# Allegro board HI3516APERB_VER_B_PCB.brd
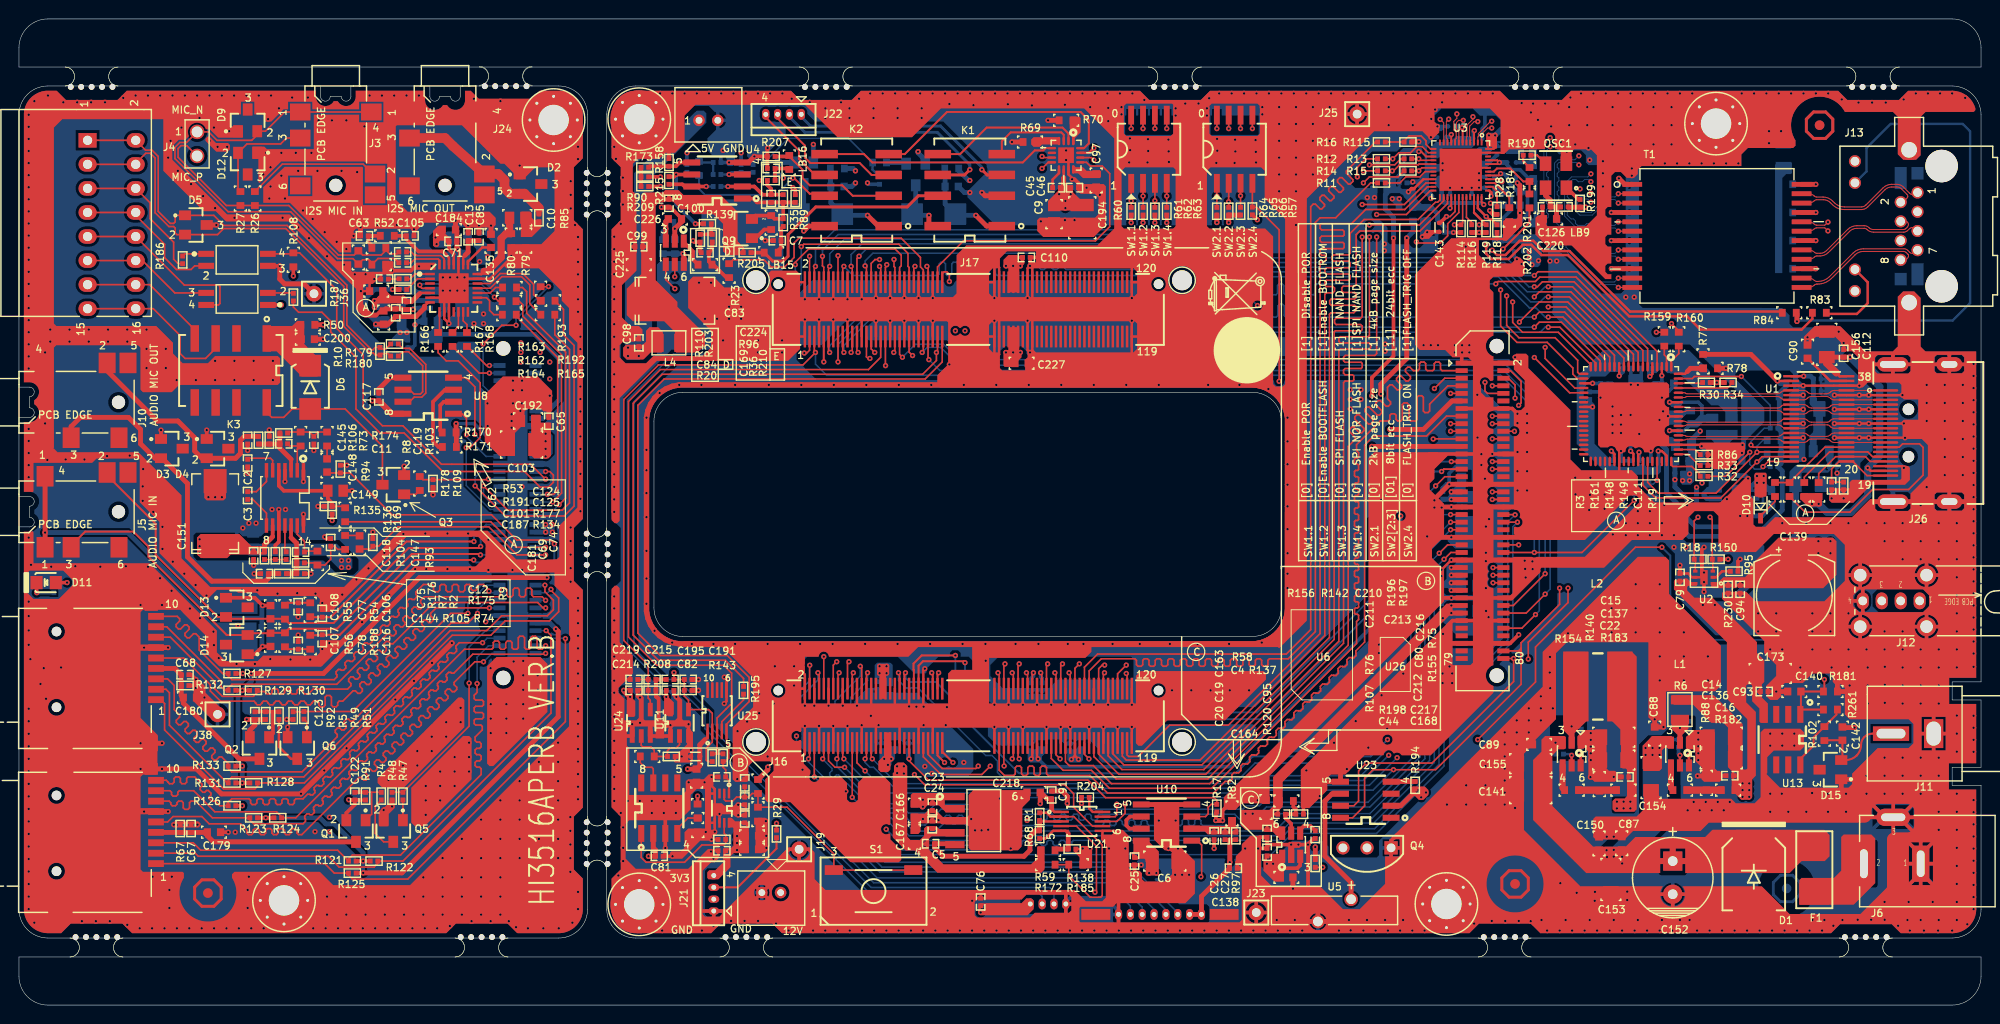
[diagram p0: board, top side]
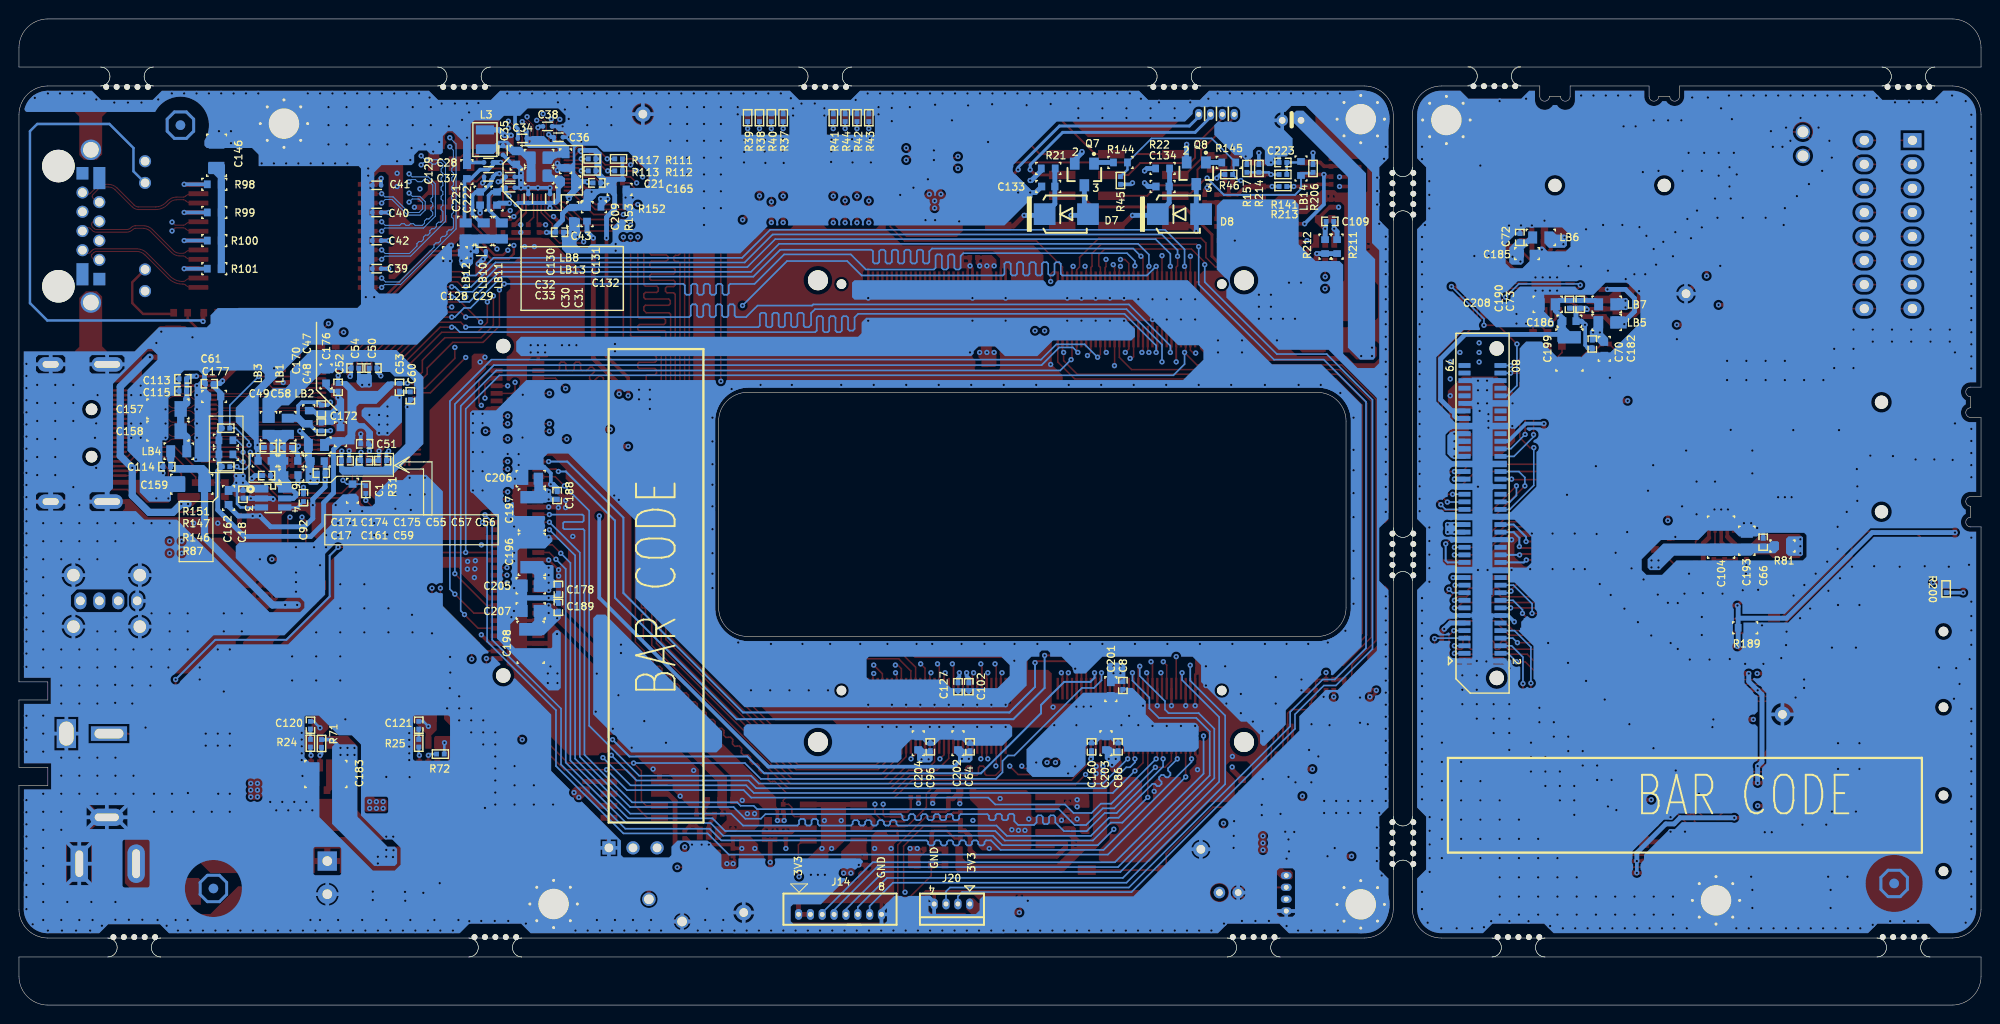
[diagram p1: board, bottom side, seen from below]

Outline 207.03 x 104.15 mm; copper layers: TOP, GND02, ART03, ART04, POWER5, BOTTOM. Coordinates in mm from the lower left corner of the outline.
Outline path: 4.87,99.07 arc(5.87,98.07) 4.87,97.07 ; 5.37,7.08 arc(6.37,6.08) 5.37,5.08 ; 10.47,97.07 arc(9.47,98.07) 10.47,99.07 ; 10.97,5.08 arc(9.97,6.08) 10.97,7.08 ; 46.01,7.08 arc(47.01,6.08) 46.01,5.08 ; 48.55,99.07 arc(49.56,98.07) 48.55,97.07 ; 51.61,5.08 arc(50.61,6.08) 51.61,7.08 ; 54.15,97.07 arc(53.15,98.07) 54.15,99.07 ; 60.01,82.89 arc(61.01,83.89) 62.01,82.89 ; 60.01,44.79 arc(61.01,45.79) 62.01,44.79 ; 60.01,14.31 arc(61.01,15.31) 62.01,14.31 ; 62.01,88.49 arc(61.01,87.49) 60.01,88.49 ; 62.01,50.39 arc(61.01,49.39) 60.01,50.39 ; 62.01,19.91 arc(61.01,18.91) 60.01,19.91 ; 73.95,7.08 arc(74.95,6.08) 73.95,5.08 ; 79.55,5.08 arc(78.55,6.08) 79.55,7.08 ; 82.34,99.07 arc(83.34,98.07) 82.34,97.07 ; 87.94,97.07 arc(86.94,98.07) 87.94,99.07 ; 119.17,99.07 arc(120.17,98.07) 119.17,97.07 ; 124.77,97.07 arc(123.77,98.07) 124.77,99.07 ; 153.96,7.08 arc(154.96,6.08) 153.96,5.08 ; 157.27,99.07 arc(158.27,98.07) 157.27,97.07 ; 159.56,5.08 arc(158.56,6.08) 159.56,7.08 ; 162.87,97.07 arc(161.87,98.07) 162.87,99.07 ; 192.06,7.08 arc(193.06,6.08) 192.06,5.08 ; 192.83,99.07 arc(193.83,98.07) 192.83,97.07 ; 197.66,5.08 arc(196.66,6.08) 197.66,7.08 ; 198.43,97.07 arc(197.43,98.07) 198.43,99.07 ; 0,101.1 arc(0.89,103.26) 3.05,104.15 203.98,104.15 arc(206.14,103.26) 207.03,101.1 207.03,99.07 0,99.07 0,101.1 ; 0,94.02 arc(0.89,96.18) 3.05,97.07 31.83,97.07 31.83,95.97 arc(32.33,95.46) 32.84,95.97 34.01,95.97 arc(34.52,95.46) 35.03,95.97 35.03,97.07 43.36,97.07 43.36,95.97 arc(43.87,95.46) 44.37,95.97 45.54,95.97 arc(46.05,95.46) 46.56,95.97 46.56,97.07 56.95,97.07 arc(59.1,96.18) 59.99,94.02 59.99,10.13 arc(59.1,7.97) 56.95,7.08 3.05,7.08 arc(0.89,7.97) 0,10.13 0,50.5 1.1,50.5 arc(1.61,51.01) 1.1,51.52 1.1,52.69 arc(1.61,53.19) 1.1,53.7 0,53.7 0,62.07 1.1,62.07 arc(1.61,62.58) 1.1,63.08 1.1,64.25 arc(1.61,64.76) 1.1,65.27 0,65.27 0,94.02 ; 0,5.08 207.03,5.08 207.03,3.05 arc(206.14,0.89) 203.98,0 3.05,0 arc(0.89,0.89) 0,3.05 0,5.08 ; 62.02,94.02 62.02,10.13 arc(62.91,7.97) 65.07,7.08 203.98,7.08 arc(206.14,7.97) 207.03,10.13 207.03,23.21 203.98,23.21 203.98,25.11 207.03,25.11 207.03,32.23 203.98,32.23 203.98,34.13 207.03,34.13 207.03,94.02 arc(206.14,96.18) 203.98,97.07 65.07,97.07 arc(62.91,96.18) 62.02,94.02 ; 67,61.66 arc(67.89,63.82) 70.05,64.71 130.16,64.71 arc(132.31,63.82) 133.21,61.66 133.21,41.98 arc(132.31,39.82) 130.16,38.93 70.05,38.93 arc(67.89,39.82) 67,41.98 67,61.66

## Design rules (mm)
net group HDMI_TX0: nets TX0+_SII9022A TX0-_SII9022A
net group HDMI_TX1: nets TX1+_SII9022A TX1-_SII9022A
net group HDMI_TX2: nets TX2+_SII9022A TX2-_SII9022A
net group HDMI_TXC: nets TXC+_SII9022A TXC-_SII9022A
net group USB: nets USB_DM USB_DP
net group MDI0: nets MDI0_N MDI0_P MDI1_N MDI1_P MDI2_N MDI2_P MDI3_N MDI3_P
net group RGM: nets EPHY_CLK MDCK RGMII_RX_CLK RGMII_RX_DV RGMII_RXD0 RGMII_RXD1 RGMII_RXD2 RGMII_RXD3 RGMII_TX_CLK RGMII_TX_EN RGMII_TXD0 RGMII_TXD1 RGMII_TXD2 RGMII_TXD3
net group SD0: nets SDIO0_CARD_DETECT SDIO0_CCLK_OUT SDIO0_CCMD SDIO0_CDATA0 SDIO0_CDATA1 SDIO0_CDATA2 SDIO0_CDATA3
net group SD0_C: nets SDIO0_CARD_DETECT_C SDIO0_CCLK_OUT_C SDIO0_CCMD_C SDIO0_CDATA0_C SDIO0_CDATA1_C SDIO0_CDATA2_C SDIO0_CDATA3_C
net group SD1: nets SDIO1_CARD_DETECT SDIO1_CCLK_OUT SDIO1_CCMD SDIO1_CDATA0 SDIO1_CDATA1 SDIO1_CDATA2 SDIO1_CDATA3
net group SD1_C: nets SDIO1_CARD_DETECT_C SDIO1_CCLK_OUT_C SDIO1_CCMD_C SDIO1_CDATA0_C SDIO1_CDATA1_C SDIO1_CDATA2_C SDIO1_CDATA3_C
net group VO: nets VO_CLK VO_DAT2 VO_DAT4 VO_DAT5 VO_DAT6 VO_DAT7 VO_DAT8 VO_DAT12 VO_DAT13 VO_DAT14 VO_DAT15

## Placement (name value [footprint] x y rotation side)
C1  1NF  [SC0603]  171.83 54.32 270 bottom
C2  330N  [HSC0402]  24.13 57.24 90 top
C3  330N  [HSC0402]  24.13 53.82 270 top
C4  39PF  [SC0402]  133.22 20.16 0 top
C5  39PF  [SC0402]  96.19 17.04 0 top
C6  10UF  [SC1206]  120.9 15.21 0 top
C7  5.6PF  [SC0402]  80.01 80.74 180 top
C8  100NF  [SC0402]  90.55 33.75 270 bottom
C9  10UF  [SC0805]  109.22 83.53 270 top
C10  10UF  [SC0805]  52.58 83.15 0 top
C11  47PF  [SC0402]  27.94 59.28 180 top
C12  47PF  [SC0402]  29.72 47.85 0 top
C13  2.2UF  [HSC0402]  47.4 81.15 90 top
C14  47UF  [SC1206]  179.62 28.29 180 top
C15  47UF  [SC1206]  168.28 28.29 180 top
C16  100NF  [SC0402]  180.52 24.22 180 top
C17  100NF  [SC0402]  180.9 55.92 0 bottom
C18  100NF  [SC0402]  183.39 53.94 270 bottom
C19  100NF  [SC0402]  131.7 18.13 270 top
C20  100NF  [SC0402]  131.7 16.15 90 top
C21  100NF  [SC0402]  146.05 86.84 0 bottom
C22  100NF  [SC0402]  169.47 24.1 180 top
C23  100NF  [SC0402]  96.39 20.92 270 top
C24  100NF  [SC0402]  96.37 19.04 90 top
C25  100NF  [SC0402]  117.7 15.21 270 top
C26  100NF  [SC0402]  126.11 17.87 270 top
C27  100NF  [SC0402]  127.25 17.87 90 top
C28  100NF  [SC0402-BGA]  157.48 88.99 0 bottom
C29  100NF  [SC0402-BGA]  158.24 79.6 180 bottom
C30  100NF  [SC0402-BGA]  153.29 85.18 90 bottom
C31  100NF  [SC0402-BGA]  151 85.18 90 bottom
C32  100NF  [SC0402-BGA]  155.19 87.47 180 bottom
C33  100NF  [SC0402-BGA]  155.19 86.33 180 bottom
C34  100NF  [SC0402-BGA]  153.92 91.53 0 bottom
C35  100NF  [SC0402-BGA]  155.96 90.26 270 bottom
C36  100NF  [SC0402-BGA]  150.11 91.66 180 bottom
C37  100NF  [SC0402-BGA]  157.48 87.47 0 bottom
C38  100NF  [SC0402-BGA]  151.26 92.8 180 bottom
C39  100NF  [SC0402-BGA]  169.29 77.77 0 bottom
C40  100NF  [SC0402-BGA]  169.29 83.71 0 bottom
C41  100NF  [SC0402-BGA]  169.29 86.58 0 bottom
C42  100NF  [SC0402-BGA]  169.29 80.74 0 bottom
C43  100NF  [SC0402]  149.99 81.63 180 bottom
C44  100NF  [SC0402]  74.17 16.3 180 top
C45  100NF  [SC0402]  109.47 86.33 0 top
C46  100NF  [SC0402]  111.38 86.33 0 top
C47  100NF  [SC0402]  175.13 62.96 270 bottom
C48  100NF  [SC0402]  175.13 61.05 90 bottom
C49  100NF  [SC0402]  180.72 58.9 0 bottom
C50  100NF  [SC0402]  169.67 67.28 0 bottom
C51  100NF  [SC0402]  170.56 59.28 0 bottom
C52  100NF  [SC0402]  173.35 65.25 270 bottom
C53  100NF  [SC0402]  166.88 65.25 270 bottom
C54  100NF  [SC0402]  171.58 67.28 180 bottom
C55  100NF  [SC0402]  172.59 57.5 180 bottom
C56  100NF  [SC0402]  168.66 57.5 0 bottom
C57  100NF  [SC0402]  170.56 57.5 180 bottom
C58  100NF  [SC0402]  178.69 58.9 180 bottom
C59  100NF  [SC0402]  175.13 56.18 180 bottom
C60  100NF  [SC0402]  165.74 64.36 90 bottom
C61  100NF  [SC0402]  186.94 65.63 0 bottom
C62  33PF  [SC0603]  35.81 78.96 270 top
C63  2.2UF  [HSC0402]  36.45 81.25 180 top
C64  100NF  [SC0402]  106.68 27.27 90 bottom
C65  100NF  [SC0402]  55.91 61.66 90 top
C66  100NF  [SC0402]  22.99 48.89 90 bottom
C67  100NF  [SC0402]  18.16 18.65 90 top
C68  100NF  [SC0402]  17.53 34.89 0 top
C69  100NF  [SC0402]  39.75 73.12 90 top
C70  100NF  [SC0402]  41.02 69.82 270 bottom
C71  100NF  [SC0402]  45.8 80.66 0 top
C72  100NF  [SC0402]  48.67 81.07 90 bottom
C73  100NF  [SC0402]  42.29 74.01 270 bottom
C74  100NF  [SC0402]  40.89 73.88 270 top
C75  100NF  [SC0402]  24.77 47.47 270 top
C76  100NF  [SC0402]  101.47 10.89 90 top
C77  2.2UF  [HSC0402]  29.46 42.08 270 top
C78  2.2UF  [HSC0402]  29.46 37.99 90 top
C79  100NF  [SC0402]  175.26 45.18 90 top
C80  100NF  [SC0402]  76.58 21.56 270 top
C81  100NF  [SC0402]  67.56 15.72 0 top
C82  100NF  [SC0402]  68.71 33.24 0 top
C83  47UF  [STC7343]  69.22 74.39 0 top
C84  100NF  [SC0402]  72.39 79.47 180 top
C85  100NF  [SC0402]  48.54 81.15 90 top
C86  100NF  [SC0402]  91.06 27.27 90 bottom
C87  100NF  [SC0603]  169.11 17.09 90 top
C88  100NF  [SC0603]  172.59 28.67 90 top
C89  100NF  [SC0603]  160.4 27.53 180 top
C90  100NF  [SC0603]  188.72 69.01 90 top
C91  100NF  [SC0402]  108.97 22.19 90 top
C92  10NF  [SC0402]  177.01 53.59 90 bottom
C93  100NF  [SC0402]  184.15 33.11 0 top
C94  100NF  [SC0402]  181.61 43.91 270 top
C95  10NF  [SC0402]  136.78 18 270 top
C96  100NF  [SC0402]  110.87 27.27 90 bottom
C97  2.2UF  [SC0603]  113.67 87.09 90 top
C98  100NF  [SC0402]  65.41 69.94 90 top
C99  100NF  [SC0402]  65.41 80.1 180 top
C100  100NF  [SC0402]  68.58 84.68 270 top
C101  33NF  [SC0402]  38.58 76.68 180 top
C102  100NF  [SC0402]  106.81 33.62 270 bottom
C103  22UF  [SC1210]  53.04 59.2 180 top
C104  22UF  [SC1210]  27.43 49.42 90 bottom
C105  100NF  [SC0402]  41.27 81.25 0 top
C106  100NF  [SC0402]  32 41.37 90 top
C107  33PF  [SC0603]  26.54 38.58 270 top
C108  33PF  [SC0603]  26.54 41.5 90 top
C109  100NF  [SC0402]  68.71 82.77 0 bottom
C110  100NF  [SC0402]  106.3 78.96 0 top
C111  100NF  [SC0402]  191.26 54.83 270 top
C112  100NF  [SC0402]  192.53 68.84 90 top
C113  100NF  [SC0402]  189.74 66.13 0 bottom
C114  100NF  [SC0402]  191.43 56.86 0 bottom
C115  100NF  [SC0402]  189.74 64.86 0 bottom
C116  100NF  [SC0402]  32 38.7 270 top
C117  100NF  [SC0402]  37.97 64.23 90 top
C118  680PF  [SC0402]  32.89 48.86 90 top
C119  680PF  [SC0402]  31.11 59.66 270 top
C120  1UF  [SC0402]  176.28 29.56 90 bottom
C121  1UF  [SC0402]  164.85 29.56 90 bottom
C122  1UF  [SC0402]  35.43 22.07 90 top
C123  1UF  [SC0402]  24.89 30.57 90 top
C124  1UF  [SC0402]  40.49 79.55 0 top
C125  1UF  [SC0402]  40.49 78.4 0 top
C126  100NF  [SC0402]  161.16 84.3 180 top
C127  100NF  [SC0402]  107.95 33.62 270 bottom
C128  10UF  [SC0603]  161.04 79.47 0 bottom
C129  10UF  [SC0603]  159.77 87.98 90 bottom
C130  10UF  [SC0603]  154.56 89.5 270 bottom
C131  10UF  [SC0603]  149.35 89.12 270 bottom
C132  10UF  [SC0603]  149.1 86.96 180 bottom
C133  1UF  [SC0603]  98.42 86.45 0 bottom
C134  1UF  [SC0603]  86.36 86.45 0 bottom
C135  1UF  [SC0603]  49.81 80.71 90 top
C136  22UF  [SC1206]  179.62 26 180 top
C137  22UF  [SC1206]  168.28 25.88 180 top
C138  100NF  [SC0402]  128.14 14.45 0 top
C139  220UF  [SCAPC2-0808C]  187.32 43.27 270 top
C140  NC/18PF  [SC0603]  187.32 33.11 180 top
C141  22UF  [SC1210]  159.51 22.7 180 top
C142  NC/27PF  [SC0603]  192.41 28.67 90 top
C143  1NF  [SC0402-BGA]  149.86 82.14 270 top
C144  1NF  [SC0402]  25.91 45.56 180 top
C145  1NF  [SC0402]  24.13 59.66 270 top
C146  1NF  [SC1206]  186.18 89.76 90 bottom
C147  2.2UF  [SC0603]  35.94 48.86 270 top
C148  2.2UF  [SC0603]  32.51 56.99 90 top
C149  10UF  [SC0805]  33.4 54.32 0 top
C150  1NF  [SC0603]  166.73 17.06 90 top
C151  100UF  [STC7343]  20.7 51.91 90 top
C152  220UF  [CAPC2-138-335]  174.5 15.21 270 top
C153  10UF  [SC1206]  167.97 13.26 270 top
C154  NC/10UF  [SC1206]  172.21 24.02 270 top
C155  NC/10UF  [SC1206]  159.51 25.49 180 top
C156  10UF  [SC1206]  190.75 69.78 90 top
C157  10UF  [SC1206]  191.31 62.96 0 bottom
C158  10UF  [SC1206]  191.31 60.62 0 bottom
C159  10UF  [SC1206]  188.8 55.01 0 bottom
C160  100NF  [SC0402]  93.85 27.27 90 bottom
C161  10UF  [SC0603]  178.29 55.98 180 bottom
C162  10UF  [SC0603]  184.91 53.56 270 bottom
C163  10UF  [SC0603]  131.57 20.92 90 top
C164  10UF  [SC0603]  133.73 13.48 0 top
C165  10UF  [SC0603]  143.65 86.15 180 bottom
C166  10UF  [SC0603]  94.49 20.54 270 top
C167  10UF  [SC0603]  94.49 17.75 90 top
C168  10UF  [SC0603]  77.34 16.45 0 top
C169  1UF  [SC0402]  79.38 85.18 270 top
C170  10UF  [SC0603]  176.45 62.1 90 bottom
C171  10UF  [SC0603]  181.1 57.47 0 bottom
C172  10UF  [SC0603]  173.1 60.29 90 bottom
C173  10UF  [SC1206]  184.78 35.02 0 top
C174  10UF  [SC0603]  178.31 57.47 180 bottom
C175  10UF  [SC0603]  175.51 57.45 180 bottom
C176  10UF  [SC0603]  174.62 66.39 270 bottom
C177  10UF  [SC0603]  186.44 64.28 0 bottom
C178  100NF  [SC0402]  150.11 43.91 270 bottom
C179  10UF  [SC0603]  20.57 18.26 0 top
C180  10UF  [SC0603]  18.03 32.48 0 top
C181  10UF  [SC0603]  38.48 72.61 90 top
C182  10UF  [SC0603]  39.75 69.31 270 bottom
C183  22UF  [SC1210]  174.65 24.4 0 bottom
C184  10UF  [SC0603]  45.36 81.91 0 top
C185  10UF  [SC0603]  47.9 79.37 180 bottom
C186  10UF  [SC0603]  43.43 72.23 180 bottom
C187  10UF  [SC0603]  37.69 75.41 180 top
C188  100NF  [SC0402]  150.24 53.82 90 bottom
C189  100NF  [SC0402]  150.11 42 90 bottom
C190  100NF  [SC0402]  43.43 74.01 270 bottom
C191  NC/100NF  [SC0402]  70.61 34.38 0 top
C192  4.7UF  [SC0805]  53.72 61.69 180 top
C193  4.7UF  [SC0805]  24.71 49.04 90 bottom
C194  100UF  [SC1210]  112.19 83.15 270 top
C195  NC/10NF  [SC0402]  68.71 34.38 180 top
C196  22UF  [SC1210]  152.91 47.59 90 bottom
C197  22UF  [SC1210]  152.91 52.29 270 bottom
C198  22UF  [SC1210]  153.03 38.32 270 bottom
C199  22UF  [SC1210]  43.43 69.18 270 bottom
C200  1UF  [SC0603]  30.48 70.33 0 top
C201  10UF  [SC0603]  91.82 33.37 270 bottom
C202  10UF  [SC0603]  107.95 27.65 90 bottom
C203  10UF  [SC0603]  92.33 27.65 90 bottom
C204  10UF  [SC0603]  112.14 27.65 90 bottom
C205  4.7UF  [SC0805]  153.03 44.29 0 bottom
C206  4.7UF  [SC0805]  153.03 55.59 0 bottom
C207  4.7UF  [SC0805]  153.03 41.62 0 bottom
C208  4.7UF  [SC0805]  45.72 74.01 0 bottom
C209  10UF  [SC0603]  148.59 83.53 270 bottom
C210  100NF  [SC0402-BGA]  71.37 26.26 180 top
C211  10UF  [SC0603]  71.5 24.22 270 top
C212  100NF  [SC0402]  76.58 19.65 90 top
C213  1NF  [SC0402]  74.17 24.1 180 top
C214  100NF  [SC0402]  64.9 33.24 0 top
C215  NC/100NF  [SC0402]  66.8 34.38 0 top
C216  1NF  [SC0402]  76.58 23.46 90 top
C217  10UF  [SC0603]  77.34 17.87 0 top
C218  10UF  [SC0603]  107.06 22.45 180 top
C219  NC/10NF  [SC0402]  64.9 34.38 180 top
C220  10UF  [SC0603]  161.54 83.03 180 top
C221  10UF  [SC0603]  158.37 85.18 270 bottom
C222  10UF  [SC0603]  156.59 85.18 270 bottom
C223  15PF  [SC0402]  73.66 88.99 0 bottom
C224  15PF  [SC0402]  79.38 88.36 180 top
C225  10UF  [SC0603]  65.41 78.2 180 top
C226  10UF  [SC0603]  69.22 83.03 0 top
C227  10UF  [SC0603]  105.79 67.79 0 top
D1  DZ  [SD2723]  183.05 13.56 90 top
D2  D2-3_D  [SOT23]  53.98 86.71 270 top
D3  D2-3_D  [SOT23]  16.13 58.77 270 top
D4  D2-3_D  [SOT23]  20.95 58.77 270 top
D5  D2-3_D  [SOT23]  18.67 82.39 270 top
D6  D  [SD1714A]  30.73 65.25 90 top
D7  D  [SD1714A]  96.52 83.53 0 bottom
D8  D  [SD1714A]  84.58 83.53 0 bottom
D9  D2-3_D  [SOT23]  24.13 93.44 0 top
D10  D_A  [HSOD323A]  183.77 52.8 270 top
D11  LED  [SD0805-LED]  2.87 44.62 180 top
D12  D2-3_D  [SOT23]  24.13 88.87 180 top
D13  D2-3_D  [SOT23]  22.99 42 270 top
D14  D2-3_D  [SOT23]  22.99 38.07 90 top
D15  D2-3_D  [SOT23]  191.13 24.86 90 top
F1  0451005MRL  [SF6127]  189.43 14.29 90 top
J1  475792245  [TF_CARD-MISOSD]  6.96 17.19 270 top
J2  475792245  [TF_CARD-MISOSD]  6.96 34.5 270 top
J3  JAM3335_F26_7F_W_A  [VAF6-1406D]  33.43 92.07 270 top
J4  NC  [SIP-2P]  18.8 90.95 270 top
J5  JAM3335_F26_7F_W_A  [VAF6-1406D]  5 52.1 0 top
J6  DC2026_00  [PWC0103-M-N]  200.66 14.93 0 top
J7  CON  [HD16-2_54MM-S]  9.78 82.44 270 top
J8  80PIN-CON  [CONN80-0_8MM-ERF8-DV]  154.43 52.2 90 top
J9  80PIN-CON  [CONN80-0_8MM-ERM8-DV]  52.6 51.95 270 bottom
J10  JAM3335_F26_7F_W_A  [VAF6-1406D]  5 63.67 0 top
J11  AV_84_5Y_HW  [VAF2]  202.03 28.67 90 top
J12  UB31123_K1_4F  [USB4-200-1907]  200.55 42.69 180 top
J13  E5J88_14LJ24_L  [MJ8-SRLFY]  200.33 85.82 270 top
J14  SDW12501A_8A_HW  [WBC0108-49T]  124.77 9.58 180 bottom
J15  TJC3_2A_34HW  [SIP-2P-2_0]  72.75 93.44 0 top
J16  QSH_060_01_F_D_A_K  [HSED120-20F-QSH]  100.17 30.55 0 top
J17  QSH_060_01_F_D_A_K  [HSED120-20F-QSH]  100.17 73.48 0 top
J18  TJC3_2A_34HW  [SIP-2P-2_0]  79.38 11.88 180 top
J19  NC  [SIP-1P]  82.32 16.45 0 top
J20  SDW12501_4A_HW  [WBC0104-49T]  106.71 10.68 0 bottom
J21  SDW12501_4A_HW  [WBC0104-49T]  73.31 9.93 90 top
J22  SDW12501_4A_HW  [WBC0104-49T]  82.55 94.07 180 top
J23  NC  [SIP-1P]  130.56 9.77 0 top
J24  JAM3335_F26_7F_W_A  [VAF6-1406D]  44.96 92.07 270 top
J25  NC  [SIP-1P]  141.2 94.1 0 top
J26  HDMI  [MOLEX_47151]  201.47 60.42 90 top
J36  NC  [SIP-1P]  31.13 75.13 0 top
J38  NC  [SIP-1P]  20.95 30.7 0 top
K1  UD2_3NU_L5  [SRLY8-87-283]  100.33 86.07 90 top
K2  UD2_3NU_L5  [SRLY8-87-283]  88.39 86.07 90 top
K3  UD2_3NU_L5  [SRLY8-87-283]  22.35 67.02 180 top
L1  2.2UH  [HSL1008]  175.26 31.21 90 top
L2  4.7UH  [SL2828]  166.6 33.65 270 top
L3  2.2UH  [HSL1008]  157.86 91.41 270 bottom
L4  2.2UH  [HSL1008]  68.58 69.94 0 top
LB1  MGLB2012_220T_LF  [SL0805]  178.66 61.13 90 bottom
LB2  MGLB2012_220T_LF  [SL0805]  175.64 59.15 180 bottom
LB3  MGLB2012_220T_LF  [SL0805]  180.7 61.13 90 bottom
LB4  MGLB2012_220T_LF  [SL0805]  190.17 58.49 180 bottom
LB5  MGLB2012_220T_LF  [SL0805]  39.5 72.1 180 bottom
LB6  MGLB2012_220T_LF  [SL0805]  46.46 81.07 180 bottom
LB7  MGLB2012_220T_LF  [SL0805]  39.5 74.01 180 bottom
LB8  LFBK2125HS101_T  [SL0805]  152.15 89.5 180 bottom
LB9  BLM15HG102SN1D  [SL0402]  163.07 84.3 0 top
LB10  LFBK2125HS101_T  [SL0805]  157.99 81.76 90 bottom
LB11  LFBK2125HS101_T  [SL0805]  156.08 81.76 90 bottom
LB12  LFBK2125HS101_T  [SL0805]  159.89 81.76 90 bottom
LB13  LFBK2125HS101_T  [SL0805]  152.15 87.6 180 bottom
LB14  MGLB1608_030T_LF  [SL0603]  71.75 88.36 270 bottom
LB15  MGLB1608_030T_LF  [SL0603]  79.38 79.47 180 top
LB16  MGLB1608_030T_LF  [SL0603]  81.28 88.99 90 top
M5  NC  [MTH_C6MMD3P2MM]  179.07 93.1 0 top
M6  NC  [MTH_C6MMD3P2MM]  65.45 10.64 0 top
M7  NC  [MTH_C6MMD3P2MM]  65.45 93.57 0 top
M8  NC  [MTH_C6MMD3P2MM]  150.62 10.67 0 top
M9  NC  [MTH_C6MMD3P2MM]  27.97 11.06 0 top
M10  NC  [MTH_C6MMD3P2MM]  56.41 93.48 0 top
NOREF  -  []  -2.03 8.98 0 top
NOREF#2  -  []  143.24 202 0 top
NOREF#3  -  []  59.99 10.13 0 top
NOREF#4  -  []  29.89 176.37 0 top
NOREF#5  -  [unnamed#2]  7.67 98.07 180 top
NOREF#6  -  [unnamed#2]  194.86 6.08 0 top
NOREF#7  -  [unnamed#3]  61.01 17.11 90 top
NOREF#8  -  []  25.94 7.08 90 top
NOREF#9  -  []  0 25.2 0 top
NOREF#10  -  [unnamed#2]  51.35 98.15 180 top
NOREF#11  -  []  27.36 7.08 90 top
NOREF#12  -  []  -123.93 69.39 0 top
NOREF#13  -  [unnamed#2]  76.75 6.08 0 top
NOREF#14  -  []  0 5.08 0 top
NOREF#15  -  []  3.05 0 0 top
NOREF#16  -  []  207.03 10.13 0 top
NOREF#17  -  [unnamed#4]  189.99 92.93 0 top
NOREF#18  VALUE  [unnamed#5]  77.77 27.78 0 top
NOREF#19  -  []  3.05 97.07 0 top
NOREF#20  -  []  203.5 212.44 0 top
NOREF#21  -  [unnamed#3]  61.01 85.69 90 top
NOREF#22  -  [unnamed#2]  48.81 6.08 0 top
NOREF#23  -  [unnamed#2]  160.07 98.07 180 top
NOREF#24  -  [unnamed#2]  195.63 98.07 180 top
NOREF#25  -  []  -77.09 -108.74 0 top
NOREF#26  VALUE  [unnamed#5]  122.73 76.55 0 top
NOREF#27  -  []  62.02 10.13 0 top
NOREF#28  -  []  0 7.08 0 top
NOREF#29  -  [unnamed#2]  85.14 98.07 180 top
NOREF#30  -  [unnamed#2]  156.76 6.08 0 top
NOREF#31  -  [unnamed#3]  61.01 47.59 90 top
NOREF#32  -  []  3.05 104.15 0 top
NOREF#33  -  []  0 25.49 0 top
NOREF#34  VALUE  [unnamed#5]  122.73 27.78 0 top
NOREF#35  -  []  46.02 219.8 0 top
NOREF#36  -  [unnamed#2]  121.97 98.07 180 top
NOREF#37  -  []  128.4 77.69 90 top
NOREF#38  -  []  0 24.95 0 top
NOREF#39  -  [unnamed#4]  19.94 11.83 0 top
NOREF#40  VALUE  [unnamed#5]  77.77 76.55 0 top
NOREF#41  -  []  11.32 0 90 top
NOREF#42  -  [unnamed#2]  8.17 6.08 0 top
NOREF#43  -  [unnamed#4]  157.86 12.79 0 top
NOREF#44  -  []  56.25 26.1 180 bottom
NOREF#45  -  [unnamed#4]  9.17 12.85 180 bottom
NOREF#46  -  [unnamed#4]  186.51 12.31 180 bottom
NOREF#47  -  []  144.81 19.28 90 bottom
NOREF#48  -  [unnamed#4]  189.99 92.93 180 bottom
OSC1  25MHZ  [HSX4-0503]  162.18 87.6 90 top
Q1  PMOS-GSD  [SOT23]  35.56 18.38 180 top
Q2  PMOS-GSD  [SOT23]  25.37 27.15 180 top
Q3  NPN-BEC  [SOT23]  39.5 54.96 90 top
Q4  DS18S20C01  [TO-TR]  142.24 16.6 180 top
Q5  NPN-BEC  [SOT23]  39.5 18.38 180 top
Q6  NPN-BEC  [SOT23]  29.36 27.15 180 top
Q7  NPN-BEC  [SOT23]  94.61 87.72 0 bottom
Q8  NPN-BEC  [SOT23]  82.8 87.85 0 bottom
Q9  NC  [SOT23]  76.2 82.01 90 top
R1  NC/0  [SR0402]  107.7 19.91 90 top
R2  47K  [SR0402]  28.19 47.47 270 top
R3  27K  [SR0603]  185.29 54.45 270 top
R4  100  [SR0402]  38.23 22.07 270 top
R5  100  [SR0402]  27.43 30.57 270 top
R6  75K  [SR0603]  175.26 22.7 0 top
R7  2.2K  [SR0402]  27.05 47.47 270 top
R8  5.1K  [SR0603]  29.72 59.78 270 top
R9  5.1K  [SR0603]  31.5 47.21 270 top
R10  120  [SR0402]  38.1 69.06 90 top
R11  33  [SR0402]  143.76 86.84 0 top
R12  33  [SR0402]  143.76 89.38 0 top
R13  33  [SR0402]  146.56 89.38 0 top
R14  33  [SR0402]  143.76 88.11 0 top
R15  33  [SR0402]  146.56 88.11 0 top
R16  33  [SR0402]  143.76 91.15 0 top
R17  10K  [SR0402]  126.39 20.8 90 top
R18  10K  [SR0402]  177.16 47.08 180 top
R19  10K  [SR0402]  192.53 54.83 270 top
R20  NC/100  [SR0603]  72.39 78.2 0 top
R21  10  [SR0603]  98.42 88.36 180 bottom
R22  10  [SR0603]  86.36 88.36 180 bottom
R23  100  [SR0603]  74.93 77.56 270 top
R24  18  [SR0402]  176.28 27.65 90 bottom
R25  18  [SR0402]  164.85 27.65 90 bottom
R26  0  [SR0603]  24.89 85.18 270 top
R27  NC/0  [SR0603]  23.37 85.18 270 top